# Altium PCB Clock.PcbDoc
Units mm, origin at the board's own origin, x right, y up, seen from the top; angles counter-clockwise.
Board outline 152.4 x 101.6 mm, 2 copper layers (Top Layer, Bottom Layer); 105 components, 113 nets, 478 pads, 0 vias.
Unrouted connection lines stored in the file: 255.
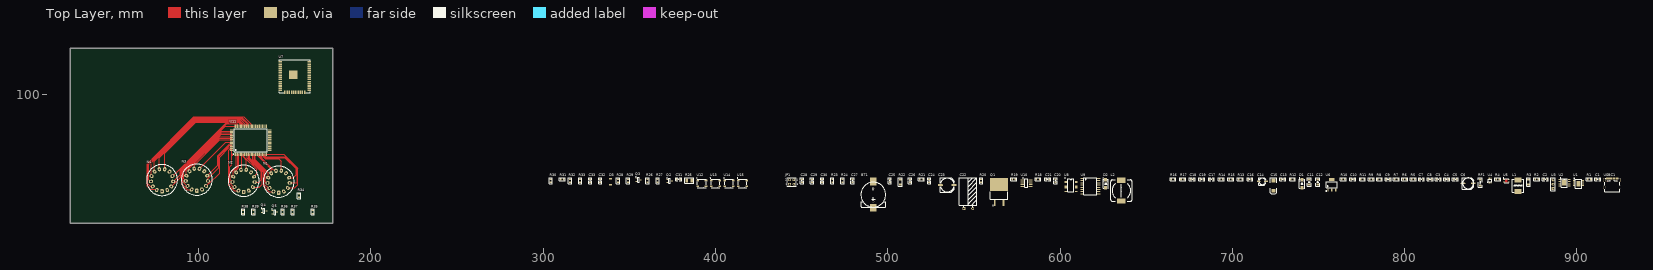
[diagram p0: Top Layer view]
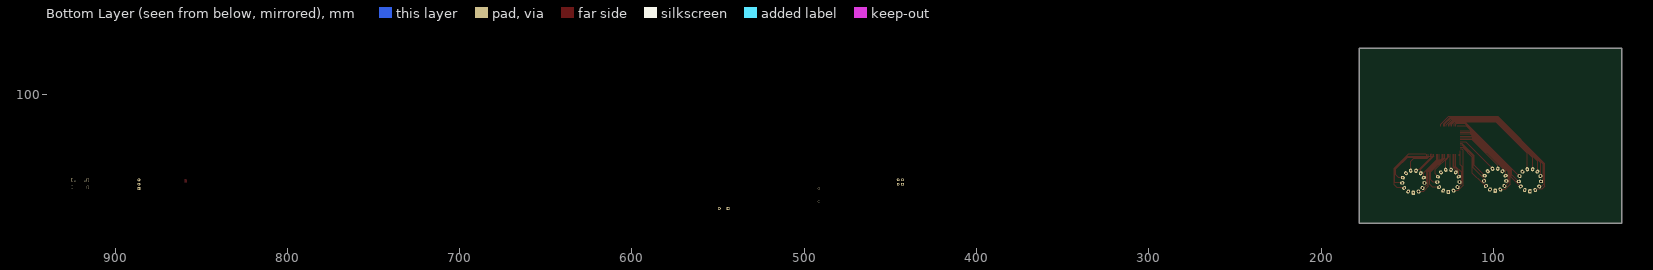
[diagram p1: Bottom Layer view, seen from below]

## Layer stack, top to bottom
Top Solder: solder mask 0.0102, Solder Resist, Dk 3.5
Top Layer: signal copper 0.0356
Dielectric 1: dielectric 0.32, FR-4, Dk 4.8
Bottom Layer: signal copper 0.0356
Bottom Solder: solder mask 0.0102, Solder Resist, Dk 3.5

## Board outline
25.4,25.4 177.8,25.4 177.8,127 25.4,127

## Design rules (kind name [scope] priority, off if disabled: settings)
Clearance [All] p1: gap=0.254 ignorepadtopadclearanceinfootprint=FALSE except(0: Arc-Hole Track-Hole SMDPad-Hole THPad-Hole Via-Hole Fill-Hole Poly-Hole Region-Hole Text-Hole)
PolygonConnect [All] p1: connectstyle=Relief reliefconductorwidth=0.254 reliefentries=4 polygonreliefangle="90 Angle" airgapwidth=0.254
RoutingVias [All] p1: holewidth=0.381 width=0.762 viastyle="Through Hole" minholewidth=0.305 minwidth=0.559 maxholewidth=0.711 maxwidth=1.27
SolderMaskExpansion [All] p1: expansion=0.102 istentingtop=FALSE
UnRoutedNet [All] p1: checkbadconnections=TRUE
Width [All] p1: maxlimit=0.254 minlimit=0.254 preferedwidth=0.254
29 further rules are at their usual default settings.

## Components (designator, comment, footprint, x,y, rotation, side; value= is the part's Value field where it differs from the comment)
BT1 "CR1220 holder" BAT1220 491.617,41.91 r0 top
C1 "Cap" "C 0805_L" 912.241,50.927 r0 top value=10nF
C2 "Cap" "C 0805_L" 881.761,50.927 r0 top value=1uF
C3 "Cap" "C 0805_L" 819.658,50.927 r0 top value=0.1uF
C4 "Cap" "C 0805_L" 824.484,50.927 r0 top value=4.7uF
C5 "Cap" "C 0805_L" 829.437,50.927 r0 top value=0.1uF
C6 "Cap Pol1" "CM D(6.3*7.7)" 836.93,48.514 r0 top value=100uF
C7 "Cap" "C 0805_L" 809.879,50.927 r0 top value=10μF
C8 "Cap" "C 0805_L" 814.832,50.927 r0 top value=10μF
C9 "Cap" "C 0805_L" 790.448,50.927 r0 top value=0.1uF
C10 "Cap" "C 0805_L" 770.001,50.927 r0 top value=0.1uF
C11 "Cap" "C 1206_L" 744.601,49.276 r90 top value=22μF
C12 "Cap" "C 1206_L" 749.681,49.276 r90 top value=22μF
C13 "Cap" "C 0805_L" 729.361,50.927 r0 top value=4.7nF
C14 "Cap Pol1" "CM B(4*5.4)" 717.423,49.657 r0 top value=10uF
C15 "Cap Pol1" "CD C(6032)" 723.9,47.244 r90 top value=22uF
C16 "Cap" "C 0805_L" 710.311,50.927 r0 top value=0.1uF
C17 "Cap" "C 0805_L" 687.959,50.927 r0 top value=0.1uF
C18 "Cap" "C 0805_L" 676.783,50.927 r0 top value=0.1uF
C19 "Cap" "C 0805_L" 682.371,50.927 r0 top value=0.1uF
C20 "Cap" "C 0805_L" 597.408,50.038 r90 top value=0.1uF
C21 "Cap" "C 0805_L" 592.836,50.927 r0 top value=0.1uF
C22 "Cap Pol1" "CAP 5.0*10*16-H - GD" 546.735,33.909 r0 top value=22uF250V
C23 "Cap Pol1" "CM E(8*10.2)" 534.543,47.498 r0 top value="220uF 25V"
C24 "Cap" "C 0805_L" 524.129,50.038 r90 top value=0.1uF
C25 "Cap" "C 0805_L" 501.269,50.038 r90 top value=0.1uF
C26 "Cap" "C 0805_L" 512.953,50.038 r90 top value=0.1uF
C27 "Cap" "C 0805_L" 479.552,50.038 r90 top value=0.1uF
C28 "Cap" "C 0805_L" 450.215,50.038 r90 top value=0.1uF
C29 "Cap" "C 0805_L" 456.057,50.038 r90 top value=0.1uF
C30 "Cap" "C 0805_L" 461.899,50.038 r90 top value=0.1uF
C31 "Cap" "C 0805_L" 378.587,50.927 r0 top value=0.1uF
C32 "Cap" "C 0805_L" 333.121,50.038 r90 top value=0.1uF
C33 "Cap" "C 0805_L" 327.279,50.038 r90 top value=4.7uF
D1 "SK34" SMA 740.41,48.26 r90 top
D2 "US1G" SMA 626.491,48.26 r90 top
D3 "ZMM75" LL-34 339.09,49.403 r90 top
JP1 "Header2X2" HDR2.54-LI-2x2P 444.246,49.276 r0 top
L1 "10uH" CKST0603 865.886,47.117 r90 top value=15μH
L2 "Inductor Iron" CDRH127 635.635,44.323 r90 top value=150uH
N1 "ИН-8-2" IN8-2 146.431,49.53 r0 top
N2 "ИН-8-2" IN8-2 126.111,50.038 r0 top
N3 "ИН-8-2" IN8-2 98.933,50.673 r0 top
N4 "ИН-8-2" IN8-2 78.74,50.419 r0 top
Q1 "IRF740" TO-263-2L 564.642,43.561 r90 top
Q2 "A42" SOT-23-3L 373.38,49.911 r0 top
Q3 "A42" SOT-23-3L 355.346,50.546 r0 top
Q4 "A42" SOT-23-3L 138.049,32.573 r0 top
Q5 "A42" SOT-23-3L 144.272,31.811 r0 top
R1 "Resistor" "R 0805_L" 907.288,50.927 r0 top value=24K
R2 "Resistor" "R 0805_L" 876.808,50.927 r0 top value=100K
R3 "Resistor" "R 1206_L" 871.982,49.276 r90 top value=1K
R4 "Resistor" "R 0805_L" 854.075,50.927 r0 top value=24K
R5 "Resistor" "R 0805_L" 805.053,50.927 r0 top value=10K
R6 "Resistor" "R 0805_L" 800.1,50.927 r0 top value=47K
R7 "Resistor" "R 0805_L" 795.274,50.927 r0 top value=59K
R8 "Resistor" "R 0805_L" 785.495,50.927 r0 top value=100R
R9 "Resistor" "R 0805_L" 780.669,50.927 r0 top value=0Ω
R10 "Resistor" "R 0805_L" 764.413,50.927 r0 top value=10K
R11 "Resistor" "R 0805_L" 775.589,50.927 r0 top value=0Ω
R12 "Resistor" "R 0805_L" 734.949,50.927 r0 top value=11K
R13 "Resistor" "R 0805_L" 704.723,50.927 r0 top value=8.2K
R14 "Resistor" "R 0805_L" 693.547,50.927 r0 top value=0Ω
R15 "Resistor" "R 0805_L" 699.135,50.927 r0 top value=0Ω
R16 "Resistor" "R 0805_L" 665.607,50.927 r0 top value=6.8K
R17 "Resistor" "R 0805_L" 671.195,50.927 r0 top value=6.8K
R18 "Resistor" "R 0805_L" 587.248,50.927 r0 top value=4.7K
R19 "Res Semi" "R 0805_L" 573.151,50.927 r0 top value=1.8M
R20 "Resistor" "R 0805_L" 554.228,50.038 r90 top value=330K
R21 "Resistor" "R 0805_L" 519.557,50.927 r0 top value=16K
R22 "Res Semi" "R 1206_L" 507.365,49.276 r90 top value=50m
R23 "Resistor" "R 0805_L" 467.868,50.038 r90 top value=150K
R24 "Resistor" "R 0805_L" 473.71,50.038 r90 top value=150K
R25 "Resistor" "R 1210_L" 384.81,50.165 r0 top value=39K
R26 "Resistor" "R 0805_L" 360.553,50.038 r90 top value=20K
R27 "Resistor" "R 0805_L" 366.395,50.038 r90 top value=20K
R28 "Resistor" "R 0805_L" 343.408,50.038 r90 top value=10K
R29 "Resistor" "R 0805_L" 349.25,50.038 r90 top value=10K
R30 "Resistor" "R 0805_L" 304.419,50.038 r90 top value=20K
R31 "Resistor" "R 0805_L" 311.023,50.927 r0 top value=20K
R32 "Resistor" "R 0805_L" 315.595,50.038 r90 top value=20K
R33 "Resistor" "R 0805_L" 321.437,50.038 r90 top value=20K
R34 "Resistor" "R 0805_L" 158.242,41.402 r90 top value=120K
R35 "Resistor" "R 0805_L" 166.243,31.938 r90 top value=120K
R36 "Resistor" "R 0805_L" 148.717,31.938 r90 top value=20K
R37 "Resistor" "R 0805_L" 154.559,31.938 r90 top value=20K
R38 "Resistor" "R 0805_L" 125.857,31.938 r90 top value=10K
R39 "Resistor" "R 0805_L" 131.826,31.938 r90 top value=10K
RF1 "FR50-16" "FU 1206" 843.915,49.022 r90 top
U1 "CH224K" ESSOP10 900.938,48.26 r0 top
U2 "MP2303" SOIC8E 892.81,48.895 r0 top
U3 "IR Recv" "HDR2.54-LI-3P - duplicate" 886.206,48.006 r90 top
U4 "CH412K" SOT-363 849.63,50.165 r0 top
U5 "SHT31" DFN-8 859.155,50.038 r0 top
U6 "LT1117-3V3" SOT223_L 757.809,47.752 r0 top
U7 "ESP32" ESP32 155.813,119.006 r0 top
U8 "SN74LVC4245A" TSSOP24_N 606.298,47.371 r0 top
U9 "DS3231" SOP16_75MM 617.601,46.863 r0 top
U10 "MAX1771" SOIC8 580.517,48.641 r0 top
U11 "HV57708" HV57708PG 130.175,73.533 r90 top
U12 "WS2812C" WS2812 392.049,48.514 r0 top
U13 "WS2812C" WS2812 399.923,48.514 r0 top
U14 "WS2812C" WS2812 407.797,48.514 r0 top
U15 "WS2812C" WS2812 415.671,48.514 r0 top
USBC1 "TYPE-C 2.0 -16P" USB-C-SMD_TYPE-C-USB-5 920.496,48.768 r0 top

## Footprints (in the part's own frame and the unit in brackets; to place one, negate y for a bottom-side part, rotate by r counter-clockwise, add the part's x,y. Pads: shape width x height; smd on the part's side, far side on the other; paste and mask are expansions set on the pad)
BAT1220 [mm]
  round 1.2 hole 1.3 unplated: 0(0,-3.886)
  round 1.2 hole 1.2 unplated: 0(0,3.607)
  rect 4x4.5 smd: 1(0,-7.595) 2(0,7.645)
  silkscreen extent -7.22,-7.19 7.22,7.24
"C 0805_L" [mil] "无极性贴片电容                                        淘宝ID:黄晶宝石"
  rect 35x50 smd: 1(-37.4,0) 2(37.4,0)
  silkscreen extent -67,-36 67,36, body extent -39,-24 39,24, height 20
"C 1206_L" [mil] "无极性贴片电容"
  rect 55x62 smd: 1(-55.12,0) 2(57.09,0)
  silkscreen extent -96,-44 98,44, body extent -63,-32 63,32, height 48
"CAP 5.0*10*16-H - GD" [mm] "脚距5mm直径10mm高度16mm"
  rect 1.7x1.7 hole 0.9: 1(-2.54,0)
  round 1.7 hole 0.9: 2(2.54,0)
  silkscreen extent -5.08,0.76 5.08,17.78, body extent -5.04,-0.3 4.97,17.91, height 10.03
"CD C(6032)" [mm] "长6.0mm，宽3.2mm，厚2.5mm      淘宝ID:黄晶宝石"
  rect 2.2x2.2 smd: 1(-3,0) 2(3,0)
  silkscreen extent -4.7,-1.78 4.44,1.78, body extent -3,-1.6 3,1.6, height 2.5
CDRH127 [mm] "12*12*8mm（长宽高）"
  rect 3x5 smd: 1(-6,0) 2(6,0)
  silkscreen extent -6.2,-6.2 6.2,6.2, body extent -6,-6 6,6, height 7.8
CKST0603 [mm] "7.4*6.4*3mm（长宽高）"
  rect 2.8x4 smd: 1(-3.3,0) 2(3.3,0)
  silkscreen extent -3.72,-3.31 3.72,3.31, body extent -3.85,-3.5 3.85,3.5, height 3.75
"CM B(4*5.4)" [mm] "贴片电解电容，直径4mm，高5.4mm"
  rect 2.1x0.8 smd: 1(2.15,0)
  oval 2.1x0.8 smd: 2(-2.15,0)
  silkscreen extent -2.1,-2.1 2.1,2.1, body extent -2.3,-2.12 2.3,2.18, height 5.4
"CM D(6.3*7.7)" [mm] "贴片电解电容，直径6.3mm，高7.7mm         淘宝ID:黄晶宝石"
  rect 2.7x1 smd: 1(3,0)
  oval 2.7x1 smd: 2(-3,0)
  silkscreen extent -3.3,-3.3 3.3,3.3, body extent -3.5,-3.3 3.5,3.3, height 7.7
"CM E(8*10.2)" [mm] "贴片电解电容，直径8mm，高10.2mm"
  rect 3x1.3 smd: 1(4,0)
  oval 3x1.3 smd: 2(-4,0)
  silkscreen extent -4.2,-4.2 4.2,4.2, body extent -4.5,-4.15 4.5,4.15, height 10.2
DFN-8 [mm] "2.5x2.5x0.5"
  round 0.025 smd: 0(0,0)
  rect 1.1x0.305 smd: 1(-1.34,0.75) 2(-1.34,0.25) 3(-1.34,-0.25) 4(-1.34,-0.75) 5(1.34,-0.75) 6(1.34,-0.25) 7(1.34,0.25) 8(1.34,0.75)
  Top Layer region: -0.55,-0.9 0.55,-0.9 0.55,0.9 -0.248,0.9 -0.55,0.598
  silkscreen extent -1.77,-1.26 1.25,1.77
ESP32 [mm]
  rect 2x0.9 smd: 1(-8.5,0) 2(-8.5,-1.27) 3(-8.5,-2.54) 4(-8.5,-3.81) 5(-8.5,-5.08) 6(-8.5,-6.35) 7(-8.5,-7.62) 8(-8.5,-8.89) 9(-8.5,-10.16) 10(-8.5,-11.43) 11(-8.5,-12.7) 12(-8.5,-13.97) 13(-8.5,-15.24) 14(-8.5,-16.51) 25(8.5,-16.51) 26(8.5,-15.24) 27(8.5,-13.97) 28(8.5,-12.7) 29(8.5,-11.43) 30(8.5,-10.16) 31(8.5,-8.89) 32(8.5,-7.62) 33(8.5,-6.35) 34(8.5,-5.08) 35(8.5,-3.81) 36(8.5,-2.54) 37(8.5,-1.27) 38(8.5,0)
  rect 0.9x2 smd: 15(-5.715,-17.51) 16(-4.445,-17.51) 17(-3.175,-17.51) 18(-1.905,-17.51) 19(-0.635,-17.51) 20(0.635,-17.51) 21(1.905,-17.51) 22(3.175,-17.51) 23(4.445,-17.51) 24(5.715,-17.51)
  rect 5x5 smd: 39(-1,-7.5)
  silkscreen extent -9,-18.01 9,1.19
ESSOP10 [mm] "ESSOP3.9mm"
  rect 2.3x3.2 smd: 0(0,0)
  rect 1.1x0.55 smd: 1(-2.65,2) 2(-2.65,1) 3(-2.65,0) 4(-2.65,-1) 5(-2.65,-2) 6(2.65,-2) 7(2.65,-1) 8(2.65,0) 9(2.65,1) 10(2.65,2)
  silkscreen extent -2.61,-2.5 1.95,3.37
"FU 1206" [mil] "贴片保险丝"
  rect 50x65 smd: 1(-67.5,0) 2(67.5,0)
  silkscreen extent -105,-45 105,45, body extent -63,-32 63,32, height 34
HDR2.54-LI-2x2P [mm] "封装库来自淘宝卖家 ID：黄晶宝石"
  rect 1.6x1.6 hole 0.9: 1(-1.27,-1.27)
  round 1.6 hole 0.9: 2(-1.27,1.27) 3(1.27,-1.27) 4(1.27,1.27)
  silkscreen extent -2.54,-2.54 2.54,2.54, body extent -2.54,-2.54 2.54,2.54, height 8.5
"HDR2.54-LI-3P - duplicate" [mm] "排针，3脚"
  rect 1.7x1.7 hole 0.9: 1(-2.54,0)
  round 1.7 hole 0.9: 2(0,0) 3(2.54,0)
  silkscreen extent -3.81,-1.27 3.81,1.27
HV57708PG [mm]
  oval 2.05x0.55 smd: 1(-8.075,9.2) 2(-8.075,8.4) 3(-8.075,7.6) 4(-8.075,6.8) 5(-8.075,6) 6(-8.075,5.2) 7(-8.075,4.4) 8(-8.075,3.6) 9(-8.075,2.8) 10(-8.075,2) 11(-8.075,1.2) 12(-8.075,0.4) 13(-8.075,-0.4) 14(-8.075,-1.2) 15(-8.075,-2) 16(-8.075,-2.8) 17(-8.075,-3.6) 18(-8.075,-4.4) 19(-8.075,-5.2) 20(-8.075,-6) 21(-8.075,-6.8) 22(-8.075,-7.6) 23(-8.075,-8.4) 24(-8.075,-9.2) 41(8.075,-9.2) 42(8.075,-8.4) 43(8.075,-7.6) 44(8.075,-6.8) 45(8.075,-6) 46(8.075,-5.2) 47(8.075,-4.4) 48(8.075,-3.6) 49(8.075,-2.8) 50(8.075,-2) 51(8.075,-1.2) 52(8.075,-0.4) 53(8.075,0.4) 54(8.075,1.2) 55(8.075,2) 56(8.075,2.8) 57(8.075,3.6) 58(8.075,4.4) 59(8.075,5.2) 60(8.075,6) 61(8.075,6.8) 62(8.075,7.6) 63(8.075,8.4) 64(8.075,9.2)
  oval 0.55x2.05 smd: 25(-6,-11.075) 26(-5.2,-11.075) 27(-4.4,-11.075) 28(-3.6,-11.075) 29(-2.8,-11.075) 30(-2,-11.075) 31(-1.2,-11.075) 32(-0.4,-11.075) 33(0.4,-11.075) 34(1.2,-11.075) 35(2,-11.075) 36(2.8,-11.075) 37(3.6,-11.075) 38(4.4,-11.075) 39(5.2,-11.075) 40(6,-11.075) 65(6,11.075) 66(5.2,11.075) 67(4.4,11.075) 68(3.6,11.075) 69(2.8,11.075) 70(2,11.075) 71(1.2,11.075) 72(0.4,11.075) 73(-0.4,11.075) 74(-1.2,11.075) 75(-2,11.075) 76(-2.8,11.075) 77(-3.6,11.075) 78(-4.4,11.075) 79(-5.2,11.075) 80(-6,11.075)
  silkscreen extent -8.2,-9.65 6.65,10.15
IN8-2 [mm]
  rrect50% 2x2.5 hole 1: 1(0,-6.5)
  oval 2x2.5 hole 1 rot 152.31: 2(-3.021,-5.755)
  oval 2x2.5 hole 1 rot 124.62: 3(-5.349,-3.692)
  oval 2x2.5 hole 1 rot 96.92: 4(-6.453,-0.784)
  oval 2x2.5 hole 1 rot 69.23: 5(-6.078,2.305)
  oval 2x2.5 hole 1 rot 41.54: 6(-4.31,4.865)
  oval 2x2.5 hole 1 rot 13.85: 7(-1.556,6.311)
  oval 2x2.5 hole 1 rot 166.15: 8(1.555,6.311)
  oval 2x2.5 hole 1 rot 138.46: 9(4.31,4.866)
  oval 2x2.5 hole 1 rot 110.77: 10(6.077,2.305)
  oval 2x2.5 hole 1 rot 83.08: 11(6.453,-0.784)
  oval 2x2.5 hole 1 rot 55.38: 12(5.349,-3.692)
  oval 2x2.5 hole 1 rot 27.69: 13(3.021,-5.755)
  silkscreen extent -9,-9 9,9
LL-34 [mm]
  rect 0.95x1.65 smd: 1(-1.75,0) 2(1.75,0)
"R 0805_L" [mil] "1/8W贴片电阻"
  rect 35x50 smd: 1(-37.4,0) 2(37.4,0)
  silkscreen extent -67,-36 67,36, body extent -39,-25 39,25, height 20
"R 1206_L" [mil] "1/4W贴片电阻"
  rect 55x62 smd: 1(-55.12,0) 2(57.09,0)
  silkscreen extent -96,-44 98,44, body extent -63,-31 63,32, height 22
"R 1210_L" [mm] "1/3W贴片电阻                                淘宝ID:黄晶宝石"
  rect 1.524x2.54 smd: 1(-1.45,0) 2(1.45,0)
  silkscreen extent -2.55,-1.6 2.55,1.6, body extent -1.6,-1.25 1.6,1.25, height 0.55
SMA [mm] "4.5x2.6*2.2mm（长宽高，不包括引脚）"
  rect 2.2x1.75 smd: 1(-2.3,0) 2(2.3,0)
  silkscreen extent -2.7,-1.52 3.56,1.52, body extent -2.53,-1.3 2.58,1.3, height 2.15
SOIC8 [mm]
  oval 2.2x0.7 smd: 1(-2.4,1.905) 2(-2.4,0.635) 3(-2.4,-0.635) 4(-2.4,-1.905) 5(2.4,-1.905) 6(2.4,-0.635) 7(2.4,0.635) 8(2.4,1.905)
  silkscreen extent -2.16,-2.45 0.9,3.17
SOIC8E [mm]
  oval 1.5x0.6 smd: 1(-2.8,1.905) 2(-2.8,0.635) 3(-2.8,-0.635) 4(-2.8,-1.905) 5(2.8,-1.905) 6(2.8,-0.635) 7(2.8,0.635) 8(2.8,1.905)
  rect 2.62x3.51 smd: 9(0,0)
  silkscreen extent -2.5,-2.5 1.78,2.88, body extent -3,-2.46 3,2.44
SOP16_75MM [mm]
  oval 1.9x0.6 smd: 1(-4.85,4.445) 2(-4.85,3.175) 3(-4.85,1.905) 4(-4.85,0.635) 5(-4.85,-0.635) 6(-4.85,-1.905) 7(-4.85,-3.175) 8(-4.85,-4.445) 9(4.85,-4.445) 10(4.85,-3.175) 11(4.85,-1.905) 12(4.85,-0.635) 13(4.85,0.635) 14(4.85,1.905) 15(4.85,3.175) 16(4.85,4.445)
  silkscreen extent -3.75,-4.95 3.75,4.95
SOT223_L [mm] "6.4x7x1.6mm(长宽高)"
  rect 0.75x1.7 smd: 1(-2.3,-3.048) 2(0,-3.048) 3(2.3,-3.048)
  rect 3.1x1.7 smd: 2(0,3.048)
  silkscreen extent -3.5,-3.88 3.25,1.75, body extent -3.25,-3.51 3.25,3.51, height 1.65
SOT-23-3L [mm]
  rect 1.1x0.6 smd: 1(-1.3,0.95) 2(-1.3,-0.95) 3(1.3,0)
  silkscreen extent -1.72,-1.45 0.43,1.87
SOT-363 [mm]
  rrect50% 0.25x0.9 smd: 1(-0.65,-1.2) 1(-0.65,1.2) 2(0,-1.2) 3(0.65,-1.2) 4(0.65,1.2) 5(0,1.2)
  silkscreen extent -1.5,-1.12 1.05,0.63, body extent -1.04,-0.62 1.05,0.63, height 1
TO-263-2L [mm]
  rect 3.6x1 smd: 1(-6.3,2.54) 3(-6.3,-2.54)
  rect 7.6x10.4 smd: 2(4.3,0)
  silkscreen extent -7.97,-5.1 0.15,5.1
TSSOP24_N [mm] "7.8*6.4*1mm（长宽高）   封装库来自淘宝卖家 ID：黄晶宝石"
  oval 1.5x0.3 smd: 1(-3.05,3.575) 2(-3.05,2.925) 3(-3.05,2.275) 4(-3.05,1.625) 5(-3.05,0.975) 6(-3.05,0.325) 7(-3.05,-0.325) 8(-3.05,-0.975) 9(-3.05,-1.625) 10(-3.05,-2.275) 11(-3.05,-2.925) 12(-3.05,-3.575) 13(3.05,-3.575) 14(3.05,-2.925) 15(3.05,-2.275) 16(3.05,-1.625) 17(3.05,-0.975) 18(3.05,-0.325) 19(3.05,0.325) 20(3.05,0.975) 21(3.05,1.625) 22(3.05,2.275) 23(3.05,2.925) 24(3.05,3.575)
  silkscreen extent -3.43,-3.81 1.78,4.32, body extent -3.2,-3.9 3.2,3.9, height 1.03
USB-C-SMD_TYPE-C-USB-5 [mm]
  oval 1.2x2 hole 0.8 slot 1.6 at 90 deg: 0(-4.5,-2.475) 0(4.5,-2.475)
  oval 1.2x2.3 hole 0.7 slot 1.8 at 90 deg: 0(-4.5,1.675) 0(4.5,1.675)
  rect 0.3x1.15 smd: A1(-3.263,2.473) A4(-2.462,2.471) A5(-1.162,2.475) A6(-0.162,2.475) A7(0.337,2.473) A9(2.638,2.475) A12(3.438,2.475) B1(3.138,2.475) B4(2.337,2.475) B5(1.838,2.475) B6(0.838,2.475) B7(-0.663,2.473) B9(-2.162,2.471) B12(-2.963,2.473)
  rect 0.3x1.148 smd: A8(-1.663,2.475) B8(1.337,2.475)
  round 0.75 hole 0.75 unplated: ""(-2.803,1.175) ""(2.978,1.175)
  silkscreen extent -4.38,-5.08 4.56,2.75, body extent -4.34,-5.14 4.6,2.76, height 3.25
WS2812 [mm]
  rect 1.5x1 smd: 1(-2.45,1.65) 2(-2.45,-1.65) 3(2.45,-1.65) 4(2.45,1.65)
  silkscreen extent -3.05,-2.5 2.5,3.17

## Part data
BT1: library part BATTERY
C1 C2 C3 C4 C5 C7 C8 C9 C10 C11 C12 C13 C16 C17 C18 C19 C20 C21 C24 C25 C26 C27 C28 C29 C30 C31 C32 C33: "Capacitor", LatestRevisionDate=17-Jul-2002, LatestRevisionNote="Re-released for DXP Platform.", PackageDescription="Radial Cap, Thru-Hole; 2 Leads; 0.3 in Pin Spacing", PackageReference=RAD-0.3, Published=8-Jun-2000, Publisher="Altium Limited"
C6: library part "Cap Pol1_2", "Polarized Capacitor (Radial)", Voltage=25V, LatestRevisionDate=17-Jul-2002, LatestRevisionNote="Re-released for DXP Platform.", PackageDescription="Polarized Capacitor (Radial); 2 Leads", PackageReference=RB7.6-15, Published=8-Jun-2000, Publisher="Altium Limited"
C14 C15: "Polarized Capacitor (Radial)", LatestRevisionDate=17-Jul-2002, LatestRevisionNote="Re-released for DXP Platform.", PackageReference=RB7.6-15, Published=8-Jun-2000, Publisher="Altium Limited"
C22: library part "Cap Pol1_3", "Polarized Capacitor (Radial)", LatestRevisionDate=17-Jul-2002, LatestRevisionNote="Re-released for DXP Platform.", PackageDescription="Polarized Capacitor (Radial); 2 Leads", PackageReference=RB7.6-15, Published=8-Jun-2000, Publisher="Altium Limited"
C23: library part "Cap Pol1_2", "Polarized Capacitor (Radial)", Voltage=16V, LatestRevisionDate=17-Jul-2002, LatestRevisionNote="Re-released for DXP Platform.", PackageDescription="Polarized Capacitor (Radial); 2 Leads", PackageReference=RB7.6-15, Published=8-Jun-2000, Publisher="Altium Limited"
D1 D2: library part "D Schottky", "Schottky Diode", Code_JEDEC=DO-214-AA, LatestRevisionDate=17-Jul-2002, LatestRevisionNote="Re-released for DXP Platform.", PackageDescription="DO-214-AA/SMB; 2 C-Bend Leads; Body 5.3 x 3.6 mm, inc. leads (LxW)", PackageReference=SMB, Published=8-Jun-2000, Publisher="Altium Limited"
D3: library part "Diode 11DQ03", "Schottky Rectifier", Code_JEDEC=DO-204-AL, ComponentLink1Description="Manufacturer Link", ComponentLink1URL=http://www.irf.com/, ComponentLink2Description=Datasheet, ComponentLink2URL=http://www.irf.com/product-info/datasheets/data/11dq03.pdf, DatasheetVersion=Dec-1997, LatestRevisionDate=17-Jul-2002, LatestRevisionNote="Re-released for DXP Platform.", PackageDescription="Diode, Axial; Body 5.2 x 2.7 mm (LxDia. max), Lead Dia. 0.86 mm (max)", PackageReference=DO-204AL, Published=8-Jun-2000, Publisher="Altium Limited"
JP1: library part "Header 2X2", "2*2P接插件", BOM名称=2*2P接插件, 学习资源=https://shop463601444.taobao.com, 版权归属="封装库来自淘宝 ID：黄晶宝石"
L1: library part L-SMD, "CD系列贴片线绕功率电感", BOM名称=功率电感, 学习资源=www.ooocke.com, 淘宝ID="封装库来自淘宝 ID：黄晶宝石"
L2: "Magnetic-Core Inductor", LatestRevisionDate=17-Jul-2002, LatestRevisionNote="Re-released for DXP Platform.", PackageDescription="Axial Device, Thru-Hole; 2 Leads; 0.9 in Pin Spacing", PackageReference=AXIAL-0.9, Published=24-Mar-1999, Publisher="Altium Limited"
Q1: library part NMOS-2, "N-Channel Power MOSFET", ComponentLink1Description="Manufacturer Link", ComponentLink1URL=http://www.irf.com/, DatasheetVersion=PD-9.814, LatestRevisionDate=17-Jul-2002, LatestRevisionNote="Re-released for DXP Platform.", Note="Pin 2 is electrically connected to pin 4.", PackageDescription="TO, Thru-Hole, Vertical, Heatsink Mounted; 3 In-Line Leads; Pitch 2.54 mm", PackageReference=TO-220AB, PackageVersion=Feb-1997, Published=8-Jun-2000, Publisher="Altium Limited"
Q2 Q3 Q4 Q5: library part NPN, "NPN Bipolar Transistor", Code_JEDEC=TO-226-AA, LatestRevisionDate=17-Jul-2002, LatestRevisionNote="Re-released for DXP Platform.", PackageReference=TO-226, Published=8-Jun-2000, Publisher="Altium Limited"
R19 R22: "Semiconductor Resistor", LatestRevisionDate=17-Jul-2002, LatestRevisionNote="Re-released for DXP Platform.", PackageReference=AXIAL-0.5, Published=8-Jun-2000, Publisher="Altium Limited"
RF1: library part PPTC, "PPTC自恢复保险丝", Current=500mA, BOM名称=PPTC自恢复保险丝
U1: "PD协议受电芯片"
U2: "DC-DC降压芯片。4.75V-28V，3A"
U3: library part VS1838B, "红外接收头"
U4: "四路ESD保护"
U5: library part SHT3x, "Humidity and Temperature Sensor"
U6: library part AMS1117, "三端稳压芯片", BOM名称=稳压芯片, 学习资源=www.ooocke.com, 版权归属=源创客
U8: library part 74LVC4245, "双向电平转换"
U12 U13 U14 U15: library part WS2812, "RGB发光管"
USBC1: library part "USB2.0 Type-C 16Pin母座", "USB2.0 Type-C 母座 16Pin", BOM_Manufacturer=LCSC, BOM_Manufacturer Part=-, BOM_Supplier=LCSC, spicePre=U, spiceSymbolName="TYPE-C 3.1 -16P_C168689"
R1 R2 R3 R4 R5 R6 R7 R8 R9 R10 R11 R12 R13 R14 R15 R16 R17 R18 R20 R21 R23 R24 R25 R26 R27 R28 R29 R30 R31 R32 R33 R34 R35 R36 R37 R38 R39: LatestRevisionDate=17-Jul-2002, LatestRevisionNote="Re-released for DXP Platform.", PackageReference=AXIAL-0.5, Published=8-Jun-2000, Publisher="Altium Limited"

## Nets (pads, with @x,y where several pads share a name; then routed paths per layer and width w, separated by ;. In a path a pad name is that pad's centre, name@x,y a point inside that pad or via, vN(x,y) a via of type N, cw(c..) or ccw(c..) an arc to the next point about the centre after c; other vN are vias at no path point)
Boost_OnOff_ESP: U7.11 U10.4
CC1: U1.7 U4.4 USBC1.A5
CC2: U1.6 USBC1.B5
CLK_ESP: U7.30 U8.20
CLK_HV: U8.4 U11.30
DATA_B1: U11.26 U11.39
DATA_B2: U11.27 U11.38
DATA_ESP: U7.28 U8.18
DATA_HV: U8.6 U11.25
DGND: BT1.2 C3.1 C4.1 C5.2 C6.2 C17.1 C18.2 C19.1 C20.2 C21.1 C25.1 R10.1 U3.2 U5.0 U5.7 U5.8 U7.1 U7.15 U7.38 U7.39 U8.2 U8.7 U8.8 U8.9 U8.10 U8.11 U8.12 U8.13 U8.14 U8.15 U8.16 U8.17 U8.22 U9.5 U9.6 U9.7 U9.8 U9.9 U9.10 U9.11 U9.12 U9.13
DM: U1.5 U4.1 USBC1.A7 USBC1.B7
DOT1: R26.2 U7.9
DOT2: R27.2 U7.10
DP: U1.4 U4.3 USBC1.A6 USBC1.B6
GND: C2.2 C7.1 C8.1 C9.1 C10.1 C11.1 C12.1 C14.2 C15.2 C16.1 C22.2 C23.2 C24.1 C26.1 C27.2 C28.1 C29.1 C30.1 C31.1 C32.2 C33.1 D1.1 D3.1 Q2.2 Q3.2 Q4.2 Q5.2 R4.1 R6.1 R12.1 R13.1 R20.1 R21.1 R22.2 R28.1 R29.2 R38.1 R39.1 U1.0 U2.4 U4.2 U6.1 U10.6 U10.7 U11.34 U11.35 U12.3 U13.3 U14.3 U15.3 USBC1.0 USBC1.A1 USBC1.A12 USBC1.B1 USBC1.B12
I\N\T\/SQW: U7.27 U9.3
IN1-0: N1.12 U11.24 | length 37.8
  Top Layer w0.254: U11.24 149.426,65.458 157.607,57.277 157.607,47.752 155.693,45.838 N1.12
IN1-1: N1.2 U11.12 | length 29.1
  Top Layer w0.254: U11.12 129.775,63.142 137.668,55.249 137.668,46.736 140.746,43.658 143.294,43.658 N1.2
IN1-2: N1.3 U11.14 | length 24.1
  Top Layer w0.254: U11.14 131.375,62.26 138.176,55.459 138.176,47.923 140.261,45.838 N1.3
IN1-3: N1.4 U11.15 | length 20.3
  Top Layer w0.254: U11.15 132.175,62.179 138.684,55.67 138.684,49.413 139.341,48.756 139.341,48.746 N1.4
IN1-4: N1.5 U11.16 | length 16.7
  Top Layer w0.254: U11.16 132.975,62.097 140.353,54.719 N1.5
IN1-5: N1.6 U11.18 | length 14.2
  Top Layer w0.254: U11.18 134.584,65.449 134.584,64.298 142.121,56.761 N1.6
IN1-6: N1.7 U11.19 | length 14.1
  Top Layer w0.254: U11.19 135.429,65.404 135.429,64.342 143.353,56.418 144.298,56.418 N1.7
IN1-7: N1.8 U11.20 | length 19.7
  Top Layer w0.254: U11.20 136.232,65.401 136.232,64.301 136.525,64.008 137.374,64.008 138.517,62.865 146.473,62.865 147.986,61.352 N1.8
IN1-8: N1.10 U11.22 | length 31.2
  Top Layer w0.254: U11.22 137.832,65.401 137.832,64.269 138.067,64.034 138.728,63.373 150.074,63.373 156.591,56.856 156.591,53.378 155.048,51.835 N1.10
IN1-9: N1.11 U11.23 | length 35.2
  Top Layer w0.254: U11.23 138.575,64.244 138.938,63.881 150.285,63.881 157.099,57.067 157.099,48.895 156.95,48.746 N1.11
IN1-comma: R36.2 U7.16
IN2-0: N2.12 U11.11 | length 26.7
  Top Layer w0.254: U11.11 128.975,63.176 136.779,55.372 136.779,48.006 135.119,46.346 N2.12
IN2-1: N2.2 U11.79 | length 29.4
  Top Layer w0.254: U11.79 119.043,68.276 117.933,68.276 117.403,67.746 117.403,47.404 120.64,44.166 122.974,44.166 N2.2
IN2-2: N2.3 U11.80 | length 23.1
  Top Layer w0.254: U11.80 119.1,59.435 117.911,58.245 117.911,48.771 118.838,47.843 120.336,46.346 N2.3
IN2-3: N2.4 U11.2 | length 18.1
  Top Layer w0.254: N2.4 118.419,50.494 118.419,54.919 121.775,58.275 U11.2
IN2-4: N2.5 U11.3 | length 14.2
  Top Layer w0.254: N2.5 120.033,55.644 122.575,58.186 U11.3
IN2-5: N2.6 U11.4 | length 11.2
  Top Layer w0.254: N2.6 121.801,55.729 122.06,55.988 122.06,56.528 123.375,57.843 U11.4
IN2-6: N2.7 U11.6 | length 9.3
  Top Layer w0.254: N2.7 124.555,57.124 124.975,57.544 U11.6
IN2-7: N2.8 U11.7 | length 9.9
  Top Layer w0.254: U11.7 125.775,63.88 127.666,61.988 N2.8
IN2-8: N2.10 U11.8 | length 16.6
  Top Layer w0.254: U11.8 126.575,63.798 133.604,56.769 133.604,53.962 132.188,52.546 N2.10
IN2-9: N2.11 U11.10 | length 22.4
  Top Layer w0.254: U11.10 128.175,63.214 136.271,55.118 136.271,50.673 134.852,49.254 N2.11
IN2-comma: R37.2 U7.13
IN3-0: N3.12 U11.78 | length 29.5
  Top Layer w0.254: N3.12 105.78,48.478 106.206,48.478 112.142,54.415 112.142,63.755 117.52,69.133 U11.78
IN3-1: N3.2 U11.66 | length 53.1
  Top Layer w0.254: N3.2 95.796,44.801 93.462,44.801 90.225,48.039 90.225,55.601 113.356,78.733 U11.66
IN3-2: N3.3 U11.67 | length 47.5
  Top Layer w0.254: N3.3 93.158,46.981 91.66,48.478 90.733,49.406 90.733,55.391 113.275,77.933 U11.67
IN3-3: N3.4 U11.68 | length 42.8
  Top Layer w0.254: N3.4 92.48,50.014 91.241,51.253 91.241,55.181 113.193,77.133 U11.68
IN3-4: N3.5 U11.70 | length 37.5
  Top Layer w0.254: N3.5 92.767,53.066 92.767,55.988 112.311,75.533 U11.70
IN3-5: N3.6 U11.71 | length 33.4
  Top Layer w0.254: N3.6 94.673,55.589 94.673,57.176 112.23,74.733 U11.71
IN3-6: N3.7 U11.72 | length 30
  Top Layer w0.254: N3.7 97.377,59.162 112.148,73.933 U11.72
IN3-7: N3.8 U11.74 | length 25.1
  Top Layer w0.254: N3.8 100.488,57.167 115.654,72.333 U11.74
IN3-8: N3.10 U11.75 | length 24.9
  Top Layer w0.254: N3.10 111.125,59.093 111.125,64.436 118.078,71.389 118.126,71.389 118.27,71.533 U11.75
IN3-9: N3.11 U11.76 | length 27.1
  Top Layer w0.254: N3.11 105.386,51.301 105.594,51.509 105.639,51.509 111.634,57.504 111.634,64.145 118.166,70.676 119.043,70.676 U11.76
IN4-0: N4.12 U11.64 | length 53.6
  Top Layer w0.254: N4.12 84.515,46.727 89.717,51.928 89.717,55.812 115.513,81.608 U11.64
IN4-1: N4.2 U11.52 | length 94.4
  Top Layer w0.254: N4.2 75.12,44.664 74.698,45.085 71.882,45.085 70.032,46.935 70.032,59.955 97.155,87.078 126.282,87.078 130.575,82.785 U11.52
IN4-2: N4.3 U11.54 | length 87.4
  Top Layer w0.254: N4.3 73.325,46.792 71.953,46.792 70.54,48.205 70.54,59.745 97.365,86.57 125.337,86.57 128.918,82.989 128.918,81.665 U11.54
IN4-3: N4.4 U11.55 | length 81.4
  Top Layer w0.254: N4.4 72.022,49.635 71.048,50.61 71.048,59.534 97.575,86.062 125.127,86.062 128.175,83.014 U11.55
IN4-4: N4.5 U11.56 | length 75
  Top Layer w0.254: N4.5 72.574,52.812 72.574,60.342 97.786,85.554 124.307,85.554 127.231,82.63 127.231,82.582 127.375,82.438 U11.56
IN4-5: N4.6 U11.58 | length 69.7
  Top Layer w0.254: N4.6 74.168,55.546 74.168,61.218 97.996,85.046 123.615,85.046 125.775,82.886 U11.58
IN4-6: N4.7 U11.59 | length 65.3
  Top Layer w0.254: N4.7 77.184,63.516 98.207,84.538 123.405,84.538 124.975,82.968 U11.59
IN4-7: N4.8 U11.60 | length 62.4
  Top Layer w0.254: N4.8 80.295,65.908 98.417,84.03 123.107,84.03 124.175,82.962 U11.60
IN4-8: N4.10 U11.62 | length 52.1
  Top Layer w0.254: N4.10 84.963,52.724 115.76,83.522 122.091,83.522 122.575,83.038 U11.62
IN4-9: N4.11 U11.63 | length 53.2
  Top Layer w0.254: N4.11 85.411,49.635 89.209,53.433 89.209,56.022 116.2,83.014 121.57,83.014 121.718,82.865 121.718,81.665 U11.63
IR: R1.2 U3.1 U7.37
LE_ESP: U7.31 U8.19
LE_HV: U8.5 U11.29
NetBT1_1: BT1.1 C25.2 U9.14
NetC1_1: C1.1 D1.2 L1.1 U2.3
NetC1_2: C1.2 U2.1
NetC2_1: C2.1 R3.1 U1.1
NetC5_1: C5.1 C6.1 R8.1 U3.3
NetC10_2: C10.2 U2.8
NetC13_1: C13.1 R13.2
NetC13_2: C13.2 U2.6
NetC14_1: C14.1 R9.1 U6.3
NetC15_1: C15.1 C16.2 R11.1 U6.2
NetC18_1: C18.1 R14.1 U8.1
NetC19_2: C19.2 R15.1 U8.23 U8.24
NetC26_2: C26.2 R19.2 R21.2 U10.3
NetC27_1: C27.1 U10.5
NetD2_1: D2.1 L2.2 Q1.2
NetD3_2: D3.2 R25.1 U11.40
NetJP1_1: JP1.1 Q3.3
NetJP1_2: JP1.2 R23.1
NetJP1_3: JP1.3 Q2.3
NetJP1_4: JP1.4 R24.1
NetN1_9: N1.9 R34.2
NetN1_13: N1.13 R30.2
NetN2_9: N2.9 R35.2
NetN2_13: N2.13 R31.2
NetN3_13: N3.13 R32.2
NetN4_13: N4.13 R33.2
NetQ1_1: Q1.1 U10.1
NetQ1_3: Q1.3 R22.1 U10.8
NetQ2_1: Q2.1 R27.1 R29.1
NetQ3_1: Q3.1 R26.1 R28.2
NetQ4_1: Q4.1 R36.1 R38.2
NetQ4_3: Q4.3 R34.1
NetQ5_1: Q5.1 R37.1 R39.2
NetQ5_3: Q5.3 R35.1
NetR2_1: R2.1 R6.2 U2.7
NetR4_2: R4.2 U1.9
NetR5_2: R5.2 U1.8
NetR7_2: R7.2 R12.2 U2.5
NetR10_2: R10.2 U5.2
NetR18_2: R18.2 U7.3
NetU12_2: U12.2 U13.4
NetU13_2: U13.2 U14.4
NetU14_2: U14.2 U15.4
RGB: U8.3 U12.4
RGB_ESP: U7.12 U8.21
SCL: R16.1 U5.4 U7.36 U9.16
SDA: R17.1 U5.1 U7.33 U9.15
V3.3: C3.2 C4.2 C9.2 C17.2 C20.1 C21.2 R1.1 R8.2 R11.2 R15.2 R16.2 R17.2 R18.1 U4.5 U5.5 U5.6 U7.2 U9.2
V5: C11.2 C12.2 C28.2 C29.2 C30.2 C31.2 C32.1 C33.2 L1.2 R7.1 R9.2 R14.2 U11.31 U11.32 U11.33 U12.1 U13.1 U14.1 U15.1
V12: C7.2 C8.2 C23.1 C24.2 L2.1 R2.2 R3.2 R5.1 RF1.2 U2.2 U10.2
VBUS: RF1.1 USBC1.A4 USBC1.A9 USBC1.B4 USBC1.B9
VH: C22.1 D2.2 R19.1 R20.2 R23.2 R24.2 R25.2 R30.1 R31.1 R32.1 R33.1
pads on no net: BT1.0 N1.1 N2.1 N3.1 N3.9 N4.1 N4.9 U1.2 U1.3 U1.10 U2.9 U5.3 U7.4 U7.5 U7.6 U7.7 U7.8 U7.14 U7.17 U7.18 U7.19 U7.20 U7.21 U7.22 U7.23 U7.24 U7.25 U7.26 U7.29 U7.32 U7.34 U7.35 U9.1 U9.4 U11.1 U11.5 U11.9 U11.13 U11.17 U11.21 U11.28 U11.36 U11.37 U11.41 U11.42 U11.43 U11.44 U11.45 U11.46 U11.47 U11.48 U11.49 U11.50 U11.51 U11.53 U11.57 U11.61 U11.65 U11.69 U11.73 U11.77 U15.2 USBC1. USBC1.A8 USBC1.B8
copper on no net: | length 0.8
  Top Layer w0.254: 119.703,64.501 119.703,65.331

## Text inside footprints (layer, text, board x,y; h text height)
JP1: Top Overlay "3" at 447.04,47.498 h1.02; Top Overlay "4" at 447.04,50.038 h1.02; Top Overlay "2" at 440.436,50.038 h1.02; Top Overlay "1" at 440.69,47.498 h1.02
Q2: Mechanical 1 "U1" at 373.74,49.497 h0.6 r90
Q3: Mechanical 1 "U1" at 355.706,50.132 h0.6 r90
Q4: Mechanical 1 "U1" at 138.409,32.159 h0.6 r90
Q5: Mechanical 1 "U1" at 144.632,31.397 h0.6 r90